# Altium PCB Volant_v2.PcbDoc (part 1 of 2)
Units mil, origin at the board's own origin, x right, y up, seen from the top; angles counter-clockwise.
Board outline 7710.03 x 3391.11 mil, 4 copper layers (Top Layer, POWER, GND, Bottom Layer), stack 30.634 mil thick; 133 components, 111 nets, 604 pads, 109 vias.
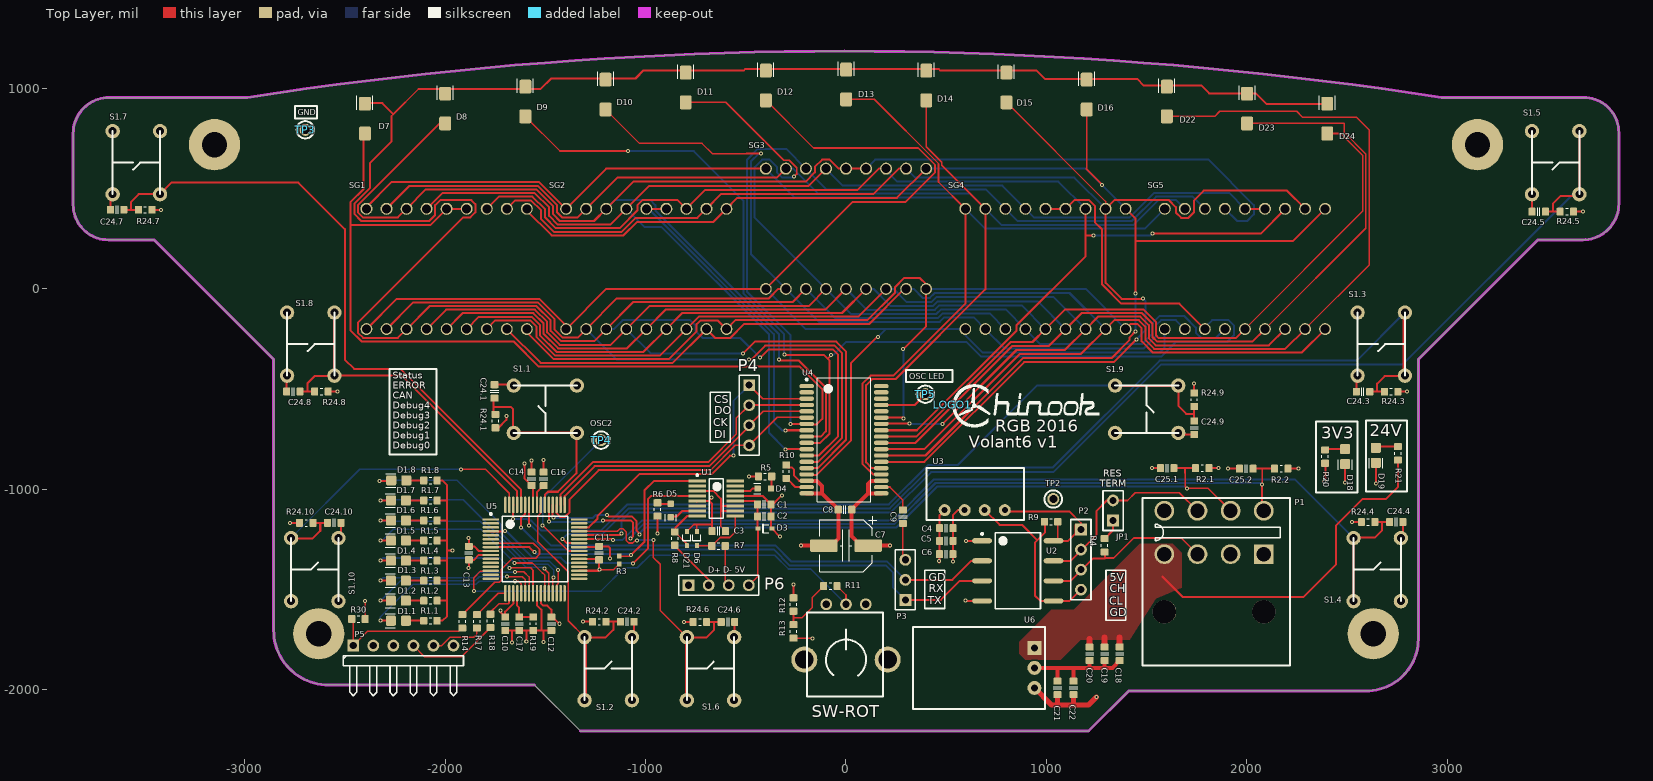
[diagram p0: Top Layer view]
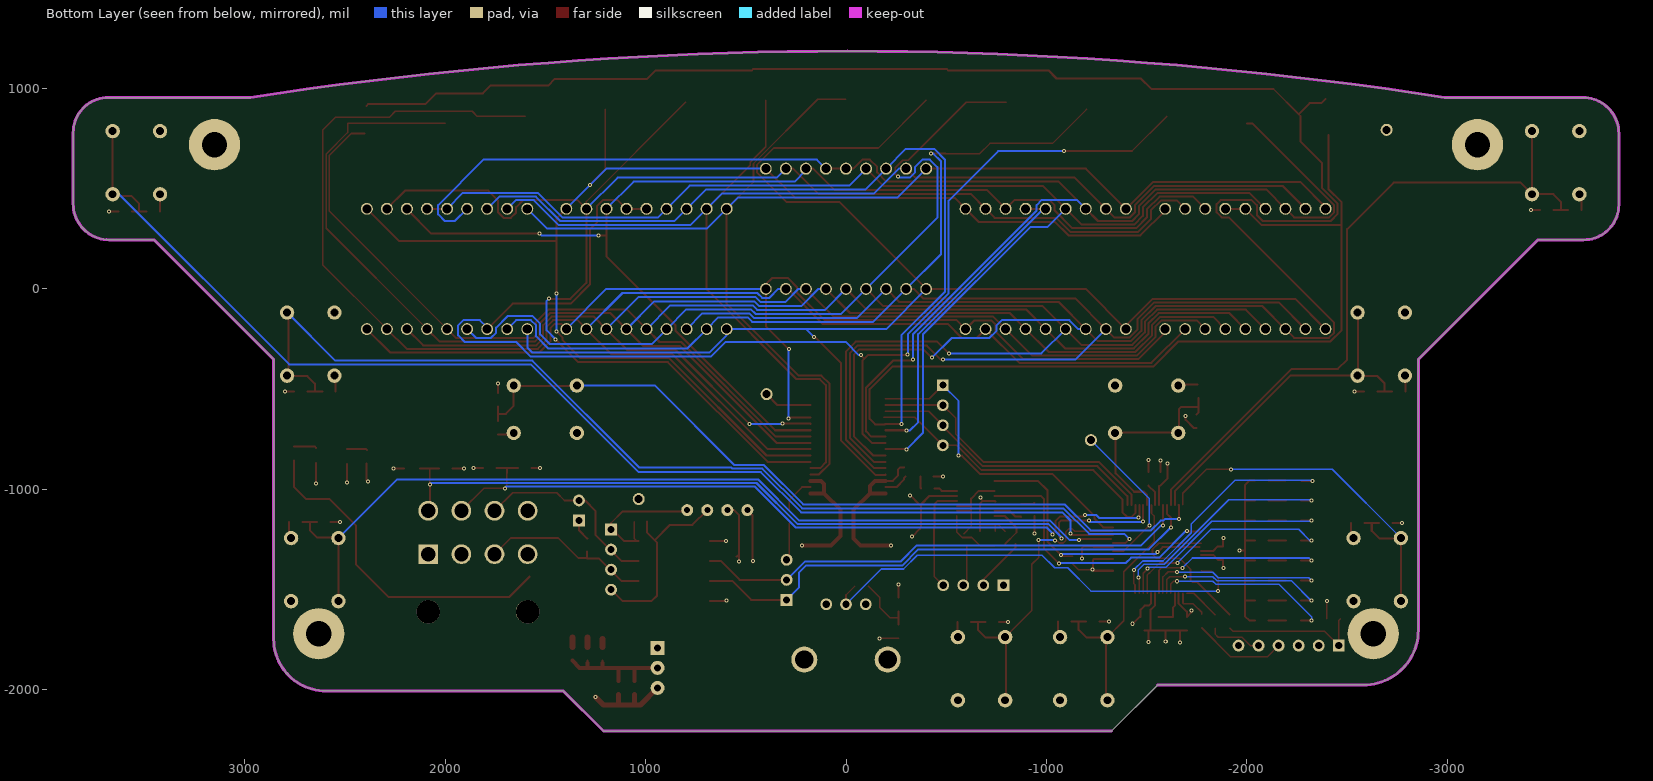
[diagram p1: Bottom Layer view, seen from below]
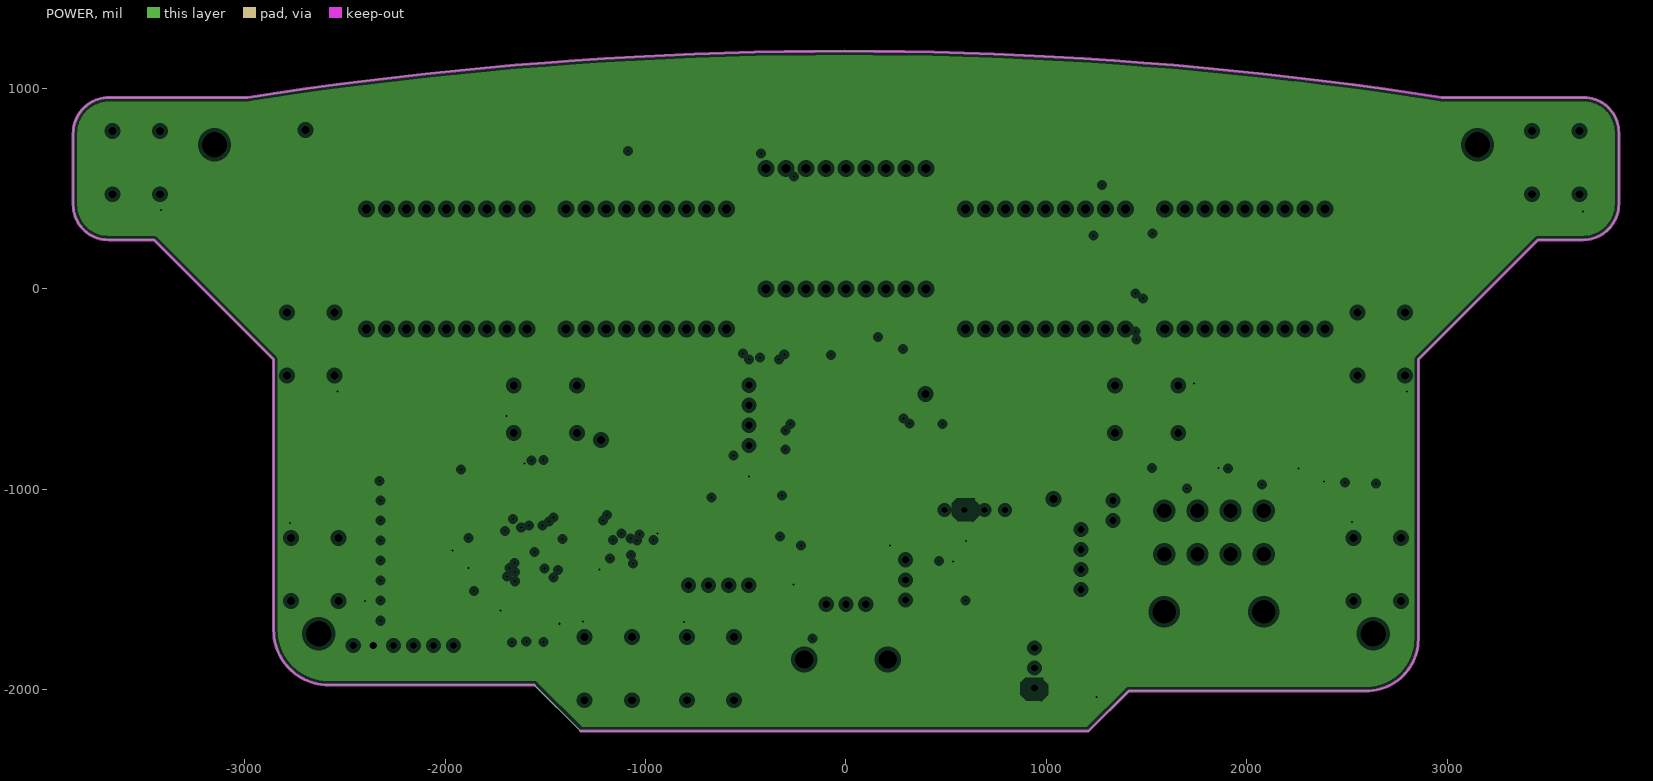
[diagram p2: POWER, clearances drawn from the general rule]
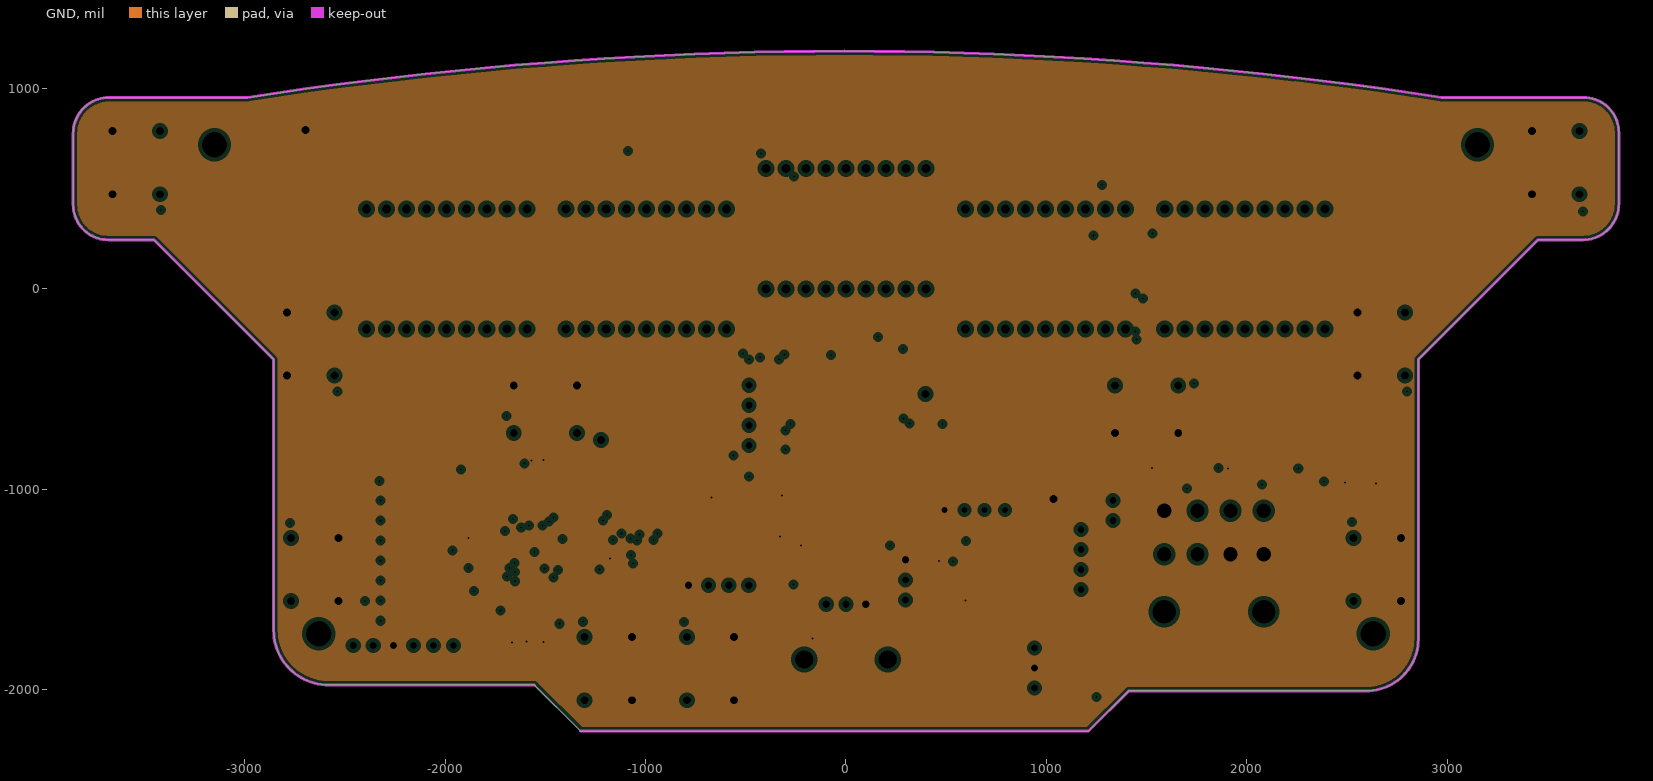
[diagram p3: GND, clearances drawn from the general rule]
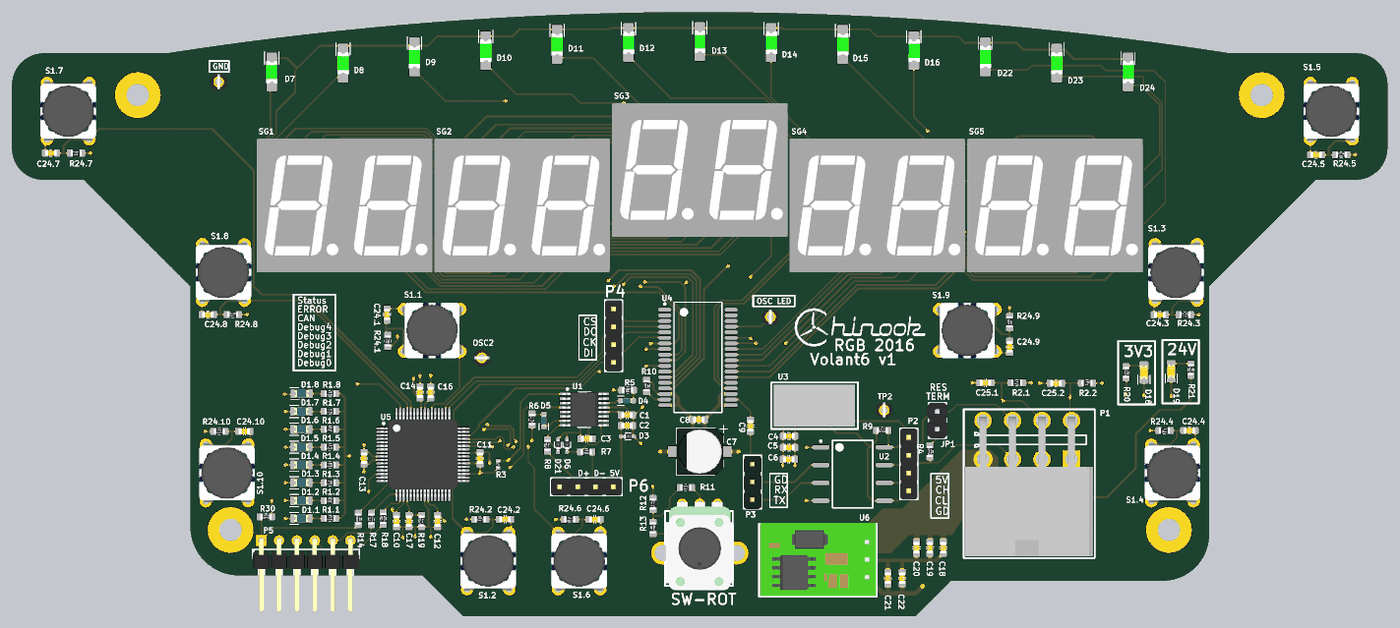
[diagram p5: 3D render of the assembled board from above, using the file's embedded part models]

## Layer stack, top to bottom
Top Solder: solder mask 0.4, Solder Resist, Dk 3.5
Top Layer: signal copper 1.4
Dielectric 1: core 10, FR-4, Dk 4.2
POWER: plane copper 1.417, net 3V3
Dielectric 3: prepreg 5, Dk 4.2
GND: plane copper 1.417, net GND
Dielectric 2: core 10, Dk 4.2
Bottom Layer: signal copper 1.4
Bottom Solder: solder mask 0.4, Solder Resist, Dk 3.5

## Board outline
-2855.02,-1702.05 -2855.02,-352.08 -3452.08,244.98 -3679.77,244.98 cw(c-3679.77,420.23) -3855.01,420.23 -3855.01,776.48 cw(c-3676.48,776.48) -3676.48,955.02 -2986.44,955.02 cw(c-8.17,-18121.97) 2969.67,955.08 2969.89,955.02 3679.96,955.02 cw(c3679.96,779.96) 3855.02,779.96 3855.02,424.32 cw(c3675.68,424.32) 3675.68,244.98 3452.08,244.98 2855.02,-352.08 2855.02,-1746.47 cw(c2595.74,-1745.73) 2595,-2005 1410,-2005 1209.98,-2205.02 -1324.99,-2205.02 -1554.99,-1975.01 -2582.05,-1975.01 cw(c-2582.05,-1702.05)

## Design rules (kind name [scope] priority, off if disabled: settings)
Clearance "Clearance IC pads" [(HasFootprint('IC-HTSSOP-14') OR HasFootprint('IC-TQFP-64')) vs (HasFootprint('IC-HTSSOP-14') OR HasFootprint('IC-TQFP-64'))] p1: gap=0
Clearance [All] p2: gap=8
HoleSize [All] p1: absolutevalues=TRUE maxlimit=200 minlimit=10 maxpercent=80.000 minpercent=20.000
MinimumSolderMaskSliver [All] p1: minsoldermaskwidth=0
PlaneClearance [All] p1: clearance=20
PlaneConnect PlaneConnect_Vias [IsVia] p1: planeconnectstyle=Direct reliefexpansion=20 reliefentries=4 reliefconductorwidth=10 reliefairgap=10
PlaneConnect [All] p2: planeconnectstyle=Relief reliefexpansion=20 reliefentries=4 reliefconductorwidth=20 reliefairgap=10
PolygonConnect PolygonConnect_Vias [IsVia] p1: connectstyle=Direct reliefconductorwidth=10 reliefentries=4 polygonreliefangle="90 Angle" airgapwidth=10
PolygonConnect [All] p2: connectstyle=Direct reliefconductorwidth=20 reliefentries=4 polygonreliefangle="90 Angle" airgapwidth=10
RoutingVias [All] p1: holewidth=10 width=20 viastyle="Through Hole" minholewidth=10 minwidth=20 maxholewidth=10 maxwidth=20
SilkToBoardRegionClearance SilkToBoardRegionClearance_PicProgConn [HasFootprint('CON-PROG-PIC')] p1:
SilkToBoardRegionClearance [All] p2:
SilkToSilkClearance [All] p1: silktosilkclearance=5
SilkToSolderMaskClearance [IsPad] p1: minsilkscreentomaskgap=6 clearancetoexposedcopper=TRUE
SolderMaskExpansion [All] p1: expansion=4
UnpouredPolygon [All] p1: allowunpoured=FALSE
Width [All] p1: maxlimit=100 minlimit=8 preferedwidth=10
22 further rules are at their usual default settings.

## Classes and differential pairs
component class PIC32: C10 C11 C12 C13 C14 C16 C17 R3 R14 R17 R18 R19 R30 TP3 TP4 U5
component class LED1: D1.1 R1.1
component class LED2: D1.2 R1.2
component class LED3: D1.3 R1.3
component class LED4: D1.4 R1.4
component class LED5: D1.5 R1.5
component class LED6: D1.6 R1.6
component class LED7: D1.7 R1.7
component class LED8: D1.8 R1.8
component class SW1: C24.1 R24.1 S1.1
component class USB-UART: C1 C2 C3 D3 D4 D5 D6 D21 R5 R6 R7 R8 U1
component class Volant5: LOGO1 P1 P5 P6
net class AP[16..1]: AP3 AP4 AP5 AP6 AP7 AP8 AP9 AP10 AP11 AP12 AP13 AP14 AP15 AP16
net class GPIO[13..0]: GPIO0 GPIO1 GPIO2 GPIO3 GPIO4 GPIO5 GPIO6 GPIO7 GPIO8 GPIO9 GPIO10 GPIO11 GPIO12 GPIO13
net class LED[8..1]: LED1 LED2 LED3 LED4 LED5 LED6 LED7 LED8
net class OUT[12..1]: OUT1 OUT3 OUT4 OUT5 OUT6 OUT7 OUT8 OUT9 OUT10 OUT11 OUT12
channel class LED0805_v1.0: LED1 LED2 LED3 LED4 LED5 LED6 LED7 LED8
component class SW2: C24.2 R24.2 S1.2
component class SW3: C24.3 R24.3 S1.3
component class SW4: C24.4 R24.4 S1.4
component class SW5: C24.5 R24.5 S1.5
component class SW6: C24.6 R24.6 S1.6
component class SW7: C24.7 R24.7 S1.7
component class SW8: C24.8 R24.8 S1.8
component class SW9: C24.9 R24.9 S1.9
component class SW10: C24.10 R24.10 S1.10
channel class Volant5.Push_button_v1.0: SW1 SW2 SW3 SW4 SW5 SW6 SW7 SW8 SW9 SW10 SW11 SW12 SW13
component class CANtrans: C4 C5 C6 JP1 P2 P3 R4 R9 TP2 U2 U3
component class POWER3V3: C18 C19 C20 C21 C22 D18 D19 R20 R21 U6
component class LEDdriver: C7 C8 C9 D7 D8 D9 D10 D11 D12 D13 D14 D15 D16 D22 D23 D24 P4 R10 SG1 SG2 SG3 SG4 SG5 TP5 U4
component class BKSW1: C25.1 R2.1
component class BKSW2: C25.2 R2.2
net class BACKSW[2..1]: BACKSW1 BACKSW2
channel class Volant5.Back_Button_v1.0: BKSW1 BKSW2

## Components (designator, comment, footprint, x,y, rotation, side; value= is the part's Value field where it differs from the comment)
C1 "CS - CAPACITOR" CS-0603 -407.46,-1075 r180 top
C2 "CS - CAPACITOR" CS-0603 -407.46,-1135 r180 top
C3 "CS - CAPACITOR" CS-0603 -634,-1208 r180 top
C4 "CS - CAPACITOR" CS-0603 500.54,-1193 r0 top
C5 "CS - CAPACITOR" CS-0603 500.54,-1257 r0 top
C6 "CS - CAPACITOR" CS-0603 499.54,-1323 r0 top
C7 "CS - CAPACITOR ELECTROLYTIC" CS-POL-6.3X4.2 0,-1280 r0 top
C8 "CS - CAPACITOR" CS-0603 -5,-1101 r0 top
C9 "CS - CAPACITOR" CS-0603 284,-1136 r90 top
C10 "CS - CAPACITOR" CS-0603 -1700,-1670 r90 top
C11 "CS - CAPACITOR" CS-0603 -1231.47,-1317.36 r270 top
C12 "CS - CAPACITOR" CS-0603 -1470,-1670 r90 top
C13 "CS - CAPACITOR" CS-0603 -1881.47,-1317.36 r270 top
C14 "CS - CAPACITOR" CS-0603 -1568.01,-947.36 r270 top
C16 "CS - CAPACITOR" CS-0603 -1508.01,-947.36 r270 top
C17 "CS - CAPACITOR" CS-0603 -1630,-1670 r90 top
C18 "CS - CAPACITOR" CS-0603 1365,-1820 r90 top
C19 "CS - CAPACITOR" CS-0603 1290,-1820 r90 top
C20 "CS - CAPACITOR" CS-0603 1215,-1820 r90 top
C21 "CS - CAPACITOR" CS-0603 1055,-1990 r270 top
C22 "CS - CAPACITOR" CS-0603 1135,-1990 r270 top
C24.1 "CS - CAPACITOR" CS-0603 -1753,-511 r270 top (schematic designator C24)
C24.2 "CS - CAPACITOR" CS-0603 -1091,-1660 r180 top (schematic designator C24)
C24.3 "CS - CAPACITOR" CS-0603 2579.11,-512.48 r0 top (schematic designator C24)
C24.4 "CS - CAPACITOR" CS-0603 2744.89,-1162.52 r180 top (schematic designator C24)
C24.5 "CS - CAPACITOR" CS-0603 3455.89,385.52 r0 top (schematic designator C24)
C24.6 "CS - CAPACITOR" CS-0603 -588.89,-1661.48 r180 top (schematic designator C24)
C24.7 "CS - CAPACITOR" CS-0603 -3636,395 r0 top (schematic designator C24)
C24.8 "CS - CAPACITOR" CS-0603 -2757.11,-511.52 r0 top (schematic designator C24)
C24.9 "CS - CAPACITOR" CS-0603 1737,-692.54 r90 top (schematic designator C24)
C24.10 "CS - CAPACITOR" CS-0603 -2552.62,-1166.69 r180 top (schematic designator C24)
C25.1 "CS - CAPACITOR" CS-0603 1602,-894 r0 top (schematic designator C25)
C25.2 "CS - CAPACITOR" CS-0603 1997,-896.54 r0 top (schematic designator C25)
D1.1 "LED - NORMAL LED" "LED-0805 BLUE" -2233,-1655 r180 top (schematic designator D1)
D1.2 "LED - NORMAL LED" "LED-0805 BLUE" -2233,-1555 r180 top (schematic designator D1)
D1.3 "LED - NORMAL LED" "LED-0805 BLUE" -2233,-1455 r180 top (schematic designator D1)
D1.4 "LED - NORMAL LED" "LED-0805 BLUE" -2233,-1355 r180 top (schematic designator D1)
D1.5 "LED - NORMAL LED" "LED-0805 BLUE" -2233,-1255 r180 top (schematic designator D1)
D1.6 "LED - NORMAL LED" "LED-0805 BLUE" -2233,-1155 r180 top (schematic designator D1)
D1.7 "LED - NORMAL LED" "LED-0805 BLUE" -2233,-1055 r180 top (schematic designator D1)
D1.8 "LED - NORMAL LED" "LED-0805 BLUE" -2231,-955 r180 top (schematic designator D1)
D3 "DS - TVS ESD5Z5.0T1G" DS-SOD523 -404,-1195 r0 top
D4 "LED - NORMAL LED" "LED-0603 BLUE" -407.46,-995 r180 top
D5 "LED - NORMAL LED" "LED-0603 BLUE" -874,-1105 r270 top
D6 "DS - TVS ESD5Z5.0T1G" DS-SOD523 -744,-1245 r90 top
D7 "LED - NORMAL LED" "LED-1206 BLUE" -2400,850 r90 top
D8 "LED - NORMAL LED" "LED-1206 BLUE" -2000,900 r90 top
D9 "LED - NORMAL LED" "LED-1206 BLUE" -1600,935 r90 top
D10 "LED - NORMAL LED" "LED-1206 BLUE" -1200,970 r90 top
D11 "LED - NORMAL LED" "LED-1206 BLUE" -800,1005 r90 top
D12 "LED - NORMAL LED" "LED-1206 BLUE" -400,1015 r90 top
D13 "LED - NORMAL LED" "LED-1206 BLUE" 0,1020 r90 top
D14 "LED - NORMAL LED" "LED-1206 BLUE" 400,1015 r90 top
D15 "LED - NORMAL LED" "LED-1206 BLUE" 800,1005 r90 top
D16 "LED - NORMAL LED" "LED-1206 BLUE" 1200,970 r90 top
D18 "LED - NORMAL LED" "LED-0805 YELLOW" 2490,-836 r270 top
D19 "LED - NORMAL LED" "LED-0805 YELLOW" 2643,-830 r270 top
D21 "DS - TVS ESD5Z5.0T1G" DS-SOD523 -794,-1245 r90 top
D22 "LED - NORMAL LED" "LED-1206 BLUE" 1600,935 r90 top
D23 "LED - NORMAL LED" "LED-1206 BLUE" 2000,900 r90 top
D24 "LED - NORMAL LED" "LED-1206 BLUE" 2400,850 r90 top
JP1 "JMP - Jumper" HEADER-2-JMP 1332,-1155 r90 top
LOGO1 "CHINOOK" LOGO-CHINOOK 533,-578 r0 top
P1 "CON - MOLEX 8POS" "CON-MOLEX Mini Jr 8pin - RA" 2084,-1323 r90 top
P2 "CON - HEADER 1X4" CON-HEADER-1X4 1172,-1200 r270 top
P3 "CON - HEADER 1X3" CON-HEADER-1X3 296,-1551 r90 top
P4 "CON - HEADER 1X4" CON-HEADER-1X4 -483,-480 r270 top
P5 "CON - HEADER PROG" CON-PROG-PIC -2458,-1779 r0 top
P6 "CON - HEADER 1X4" CON-HEADER-1X4 -785,-1478 r0 top
R1.1 "RS - RESISTOR" RS-0603 -2073,-1655 r0 top (schematic designator R1)
R1.2 "RS - RESISTOR" RS-0603 -2073,-1555 r0 top (schematic designator R1)
R1.3 "RS - RESISTOR" RS-0603 -2073,-1455 r0 top (schematic designator R1)
R1.4 "RS - RESISTOR" RS-0603 -2073,-1355 r0 top (schematic designator R1)
R1.5 "RS - RESISTOR" RS-0603 -2073,-1255 r0 top (schematic designator R1)
R1.6 "RS - RESISTOR" RS-0603 -2073,-1155 r0 top (schematic designator R1)
R1.7 "RS - RESISTOR" RS-0603 -2073,-1055 r0 top (schematic designator R1)
R1.8 "RS - RESISTOR" RS-0603 -2073,-955 r0 top (schematic designator R1)
R2.1 "RS - RESISTOR" RS-0603 1777,-894 r180 top (schematic designator R2)
R2.2 "RS - RESISTOR" RS-0603 2171,-896 r180 top (schematic designator R2)
R3 "RS - RESISTOR" RS-0402 -1131,-1352 r90 top
R4 "RS - RESISTOR" RS-0603 1290,-1279 r270 top
R5 "RS - RESISTOR" RS-0603 -404,-935 r180 top
R6 "RS - RESISTOR" RS-0603 -940,-1100 r270 top
R7 "RS - RESISTOR" RS-0603 -636,-1282 r0 top
R8 "RS - RESISTOR" RS-0603 -854,-1245 r270 top
R9 "RS - RESISTOR" RS-0603 1023,-1161 r0 top
R10 "RS - RESISTOR" RS-0603 -298,-911 r270 top
R11 "RS - RESISTOR" RS-0603 -78,-1482 r180 top
R12 "RS - RESISTOR" RS-0603 -262,-1574 r90 top
R13 "RS - RESISTOR" RS-0603 -262,-1708 r90 top
R14 "RS - RESISTOR" RS-0603 -1914,-1658 r270 top
R17 "RS - RESISTOR" RS-0603 -1841,-1658 r90 top
R18 "RS - RESISTOR" RS-0603 -1774,-1656 r90 top
R19 "RS - RESISTOR" RS-0603 -1560,-1670 r270 top
R20 "RS - RESISTOR" RS-0603 2390,-836 r270 top
R21 "RS - RESISTOR" RS-0603 2753,-820 r270 top
R24.1 "RS - RESISTOR" RS-0603 -1749,-659 r90 top (schematic designator R24)
R24.2 "RS - RESISTOR" RS-0603 -1231,-1660 r0 top (schematic designator R24)
R24.3 "RS - RESISTOR" RS-0603 2719.11,-512.48 r180 top (schematic designator R24)
R24.4 "RS - RESISTOR" RS-0603 2604.89,-1162.52 r0 top (schematic designator R24)
R24.5 "RS - RESISTOR" RS-0603 3595.89,385.52 r180 top (schematic designator R24)
R24.6 "RS - RESISTOR" RS-0603 -728.89,-1661.48 r0 top (schematic designator R24)
R24.7 "RS - RESISTOR" RS-0603 -3496,395 r180 top (schematic designator R24)
R24.8 "RS - RESISTOR" RS-0603 -2617.11,-511.52 r180 top (schematic designator R24)
R24.9 "RS - RESISTOR" RS-0603 1737,-552.54 r270 top (schematic designator R24)
R24.10 "RS - RESISTOR" RS-0603 -2692.62,-1166.69 r0 top (schematic designator R24)
R30 "RS - RESISTOR" RS-0603 -2432,-1646 r0 top
S1.1 "SW - Tactile Switch" SW-ESE20C443 -1500,-600 r180 top (schematic designator S1)
S1.2 "SW - Tactile Switch" SW-ESE20C443 -1186,-1894 r90 top (schematic designator S1)
S1.3 "SW - Tactile Switch" SW-ESE20C443 2670,-275 r270 top (schematic designator S1)
S1.4 "SW - Tactile Switch" SW-ESE20C443 2650,-1400 r90 top (schematic designator S1)
S1.5 "SW - Tactile Switch" SW-ESE20C443 3540,630 r270 top (schematic designator S1)
S1.6 "SW - Tactile Switch" SW-ESE20C443 -676,-1894 r90 top (schematic designator S1)
S1.7 "SW - Tactile Switch" SW-ESE20C443 -3540,630 r270 top (schematic designator S1)
S1.8 "SW - Tactile Switch" SW-ESE20C443 -2670,-275 r270 top (schematic designator S1)
S1.9 "SW - Tactile Switch" SW-ESE20C443 1500,-600 r0 top (schematic designator S1)
S1.10 "SW - Tactile Switch" SW-ESE20C443 -2650,-1400 r90 top (schematic designator S1)
SG1 "LB-602VK2" "DISP-DUAL 7SEG 18 PIN" -2392,-200 r0 top
SG2 "LB-602VK2" "DISP-DUAL 7SEG 18 PIN" -1396,-200 r0 top
SG3 "LB-602VK2" "DISP-DUAL 7SEG 18 PIN" -400,0 r0 top
SG4 "LB-602VK2" "DISP-DUAL 7SEG 18 PIN" 595,-200 r0 top
SG5 "LB-602VK2" "DISP-DUAL 7SEG 18 PIN" 1590,-200 r0 top
SW-ROT "SW - ROTARY POT W/ MIDDLE DETENT" "SW - ROTARY POT W/ DETENT" 0,-1849 r180 top
TP2 "5003K" "TP - VERTICAL" 1034,-1048 r0 top
TP3 "GND" "TP - VERTICAL" -2697,794 r0 top
TP4 "OSC2" "TP - VERTICAL" -1222,-754 r270 top
TP5 "OSC LED" "TP - VERTICAL" 396,-525 r0 top
U1 "IC - FT230XS" IC-SSOP-16 -647.46,-1045 r0 top
U2 "IC - ISO1050" IC-SOP-8 857,-1406 r0 top
U3 "IC - CME0305S3C" IC-SIP-4 492,-1103 r0 top
U4 "MAX6954AAX" IC-SSOP-36 -10,-752 r0 top
U5 "PIC32MX795F512HT-80I/PT" IC-TQFP-64 -1551.47,-1297.36 r0 top
U6 "OKI-78SR" IC-OKI78SR-RA 940,-1890 r270 top

## Footprints (in the part's own frame and the unit in brackets; to place one, negate y for a bottom-side part, rotate by r counter-clockwise, add the part's x,y. Pads: shape width x height; smd on the part's side, far side on the other; paste and mask are expansions set on the pad)
CON-HEADER-1X3 [mm]
  rect 1.5x1.5 hole 0.9: 1(0,0)
  round 1.5 hole 0.9: 2(2.54,0) 3(5.08,0)
  silkscreen extent -1.27,-1.27 6.35,1.27, body extent -1.35,-1.24 6.27,1.25, height 8.2
CON-HEADER-1X4 [mm]
  rect 1.5x1.5 hole 0.9: 1(0,0)
  round 1.5 hole 0.9: 2(2.54,0) 3(5.08,0) 4(7.62,0)
  silkscreen extent -1.27,-1.27 8.89,1.27, body extent -1.27,-1.24 8.89,1.25, height 8.54
"CON-MOLEX Mini Jr 8pin - RA" [mm] "RIGHT ANGLE 8PIN MOLEX"
  rect 2.5x2.5 hole 1.8: 1(0,0)
  round 2.5 hole 1.8: 2(0,4.2) 3(0,8.4) 4(0,12.6) 5(5.5,0) 6(5.5,4.2) 7(5.5,8.4) 8(5.5,12.6)
  round 3 hole 3 unplated: ""(-7.3,12.6) ""(-7.3,0)
  silkscreen extent -14.1,-3.3 7.11,15.34, body extent -13.85,-3.09 6.08,15.31, height 11.4
CON-PROG-PIC [mm] "Connector; Header; 6 Position; Right Angle"
  rect 1.5x1.5 hole 0.9: 1(0,0)
  round 1.5 hole 0.9: 2(2.54,0) 3(5.08,0) 4(7.62,0) 5(10.16,0) 6(12.7,0)
  silkscreen extent -1.27,-6.35 13.97,-1.27, body extent -1.27,-10.16 13.97,0.32, height 3.1
CS-0603 [mm]
  round 0.254 on Mech15: 0(0,0)
  rrect25% 0.9x1 smd: 1(-0.85,0) 2(0.85,0)
  Top Layer pour cut-out: -0.6,0.5 -0.4,0.7 0.4,0.7 0.6,0.5 0.6,-0.5 0.4,-0.7 -0.4,-0.7 -0.6,-0.5
  silkscreen extent -0.14,-0.53 0.12,0.51, body extent -0.8,-0.4 0.8,0.4, height 0.3
CS-POL-6.3X4.2 [mm] "Capacitor, polarized, aluminum can; 6.3x4.2mm DxH"
  round 0.508 on Mech15: 0(0,0)
  rrect25% 3.5x1.6 smd: 1(2.8,0) 2(-2.8,0)
  silkscreen extent -3.3,-3.3 3.9,3.7, body extent -3.3,-3.3 3.3,3.3, height 4.23
"DISP-DUAL 7SEG 18 PIN" [mil] "DUAL 7SEG Display"
  round 59.06 hole 45: 1(0,0) 2(100,0) 3(200,0) 4(300,0) 5(400,0) 6(500,0) 7(600,0) 8(700,0) 9(800,0) 10(800,600)
  round 60 hole 45: 11(700,600) 12(600,600) 13(500,600) 14(400,600) 15(300,600) 16(200,600) 17(100,600) 18(0,600)
  body extent -91,-74 893,676, height 640
DS-SOD523 [mm]
  round 0.508 on Mech15: 0(0,0)
  rrect20% 0.65x0.5 smd: A(0.9,0) K(-0.9,0)
  Top Layer pour cut-out: -0.708,-0.257 -0.708,0.243 -0.508,0.443 0.542,0.443 0.742,0.243 0.742,-0.257 0.542,-0.457 -0.508,-0.457
  silkscreen extent -0.25,-0.51 0.45,0.51, body extent -0.8,-0.4 0.8,0.4, height 0.7
HEADER-2-JMP [mm]
  rect 1.5x1.5 hole 0.9: 1(0,0)
  round 1.5 hole 0.9: 2(2.54,0)
  silkscreen extent -1.27,-1.27 3.78,1.27, body extent -1.27,-1.46 3.81,1.46, height 8.56
IC-OKI78SR-RA [mil]
  rect 70x70 hole 35: 1(-100,0)
  round 70 hole 35: 2(0,0) 3(100,0)
  silkscreen extent -205,-607 205,53, body extent -209,-601 201,49, height 134
IC-SIP-4 [mil]
  round 60 hole 30: 1(0,0) 2(100,0) 3(200,0) 4(300,0)
  silkscreen extent -90,-50 395,210, body extent -77,-37 379,199, height 404
IC-SOP-8 [mm] "SOP, 8-Leads, Body 4,90x3,90mm, Pitch 1,27mm, IPC Medium Density"
  oval 2.5x0.65 smd: 1(-4.525,3.81) 2(-4.525,1.27) 3(-4.525,-1.27) 4(-4.525,-3.81) 5(4.525,-3.81) 6(4.525,-1.27) 7(4.525,1.27) 8(4.525,3.81)
  silkscreen extent -4.65,-4.8 2.88,4.81, body extent -3.3,-4.8 3.3,4.8, height 4.85
IC-SSOP-16 [mm] "SOP, 16-Leads, Body 5.0x4.0mm (max), Pitch 0.63mm, IPC Medium Density"
  rect 2.2x0.35 smd: 1(-2.4,2.222) 2(-2.4,1.587) 3(-2.4,0.953) 4(-2.4,0.318) 5(-2.4,-0.318) 6(-2.4,-0.953) 7(-2.4,-1.587) 8(-2.4,-2.222) 9(2.4,-2.222) 10(2.4,-1.587) 11(2.4,-0.953) 12(2.4,-0.318) 13(2.4,0.318) 14(2.4,0.953) 15(2.4,1.587) 16(2.4,2.222)
  silkscreen extent -2.52,-2.5 0.9,3.07, body extent -3.1,-2.5 3.15,2.5, height 1.75
IC-SSOP-36 [mm] "SOP, 36-Leads, Body 15,42x7,50mm, Pitch 0,80mm, IPC Medium Density"
  oval 1.85x0.55 smd: 1(-4.725,6.8) 2(-4.725,6) 3(-4.725,5.2) 4(-4.725,4.4) 5(-4.725,3.6) 6(-4.725,2.8) 7(-4.725,2) 8(-4.725,1.2) 9(-4.725,0.4) 10(-4.725,-0.4) 11(-4.725,-1.2) 12(-4.725,-2) 13(-4.725,-2.8) 14(-4.725,-3.6) 15(-4.725,-4.4) 16(-4.725,-5.2) 17(-4.725,-6) 18(-4.725,-6.8) 19(4.725,-6.8) 20(4.725,-6) 21(4.725,-5.2) 22(4.725,-4.4) 23(4.725,-3.6) 24(4.725,-2.8) 25(4.725,-2) 26(4.725,-1.2) 27(4.725,-0.4) 28(4.725,0.4) 29(4.725,1.2) 30(4.725,2) 31(4.725,2.8) 32(4.725,3.6) 33(4.725,4.4) 34(4.725,5.2) 35(4.725,6) 36(4.725,6.8)
  silkscreen extent -4.85,-7.85 3.4,7.85, body extent -3.8,-7.85 3.8,7.85, height 2.64
IC-TQFP-64 [mm]
  oval 2.1x0.3 smd: 1(-5.6,3.75) 2(-5.6,3.25) 3(-5.6,2.75) 4(-5.6,2.25) 5(-5.6,1.75) 6(-5.6,1.25) 7(-5.6,0.75) 8(-5.6,0.25) 9(-5.6,-0.25) 10(-5.6,-0.75) 11(-5.6,-1.25) 12(-5.6,-1.75) 13(-5.6,-2.25) 14(-5.6,-2.75) 15(-5.6,-3.25) 16(-5.6,-3.75) 33(5.6,-3.75) 34(5.6,-3.25) 35(5.6,-2.75) 36(5.6,-2.25) 37(5.6,-1.75) 38(5.6,-1.25) 39(5.6,-0.75) 40(5.6,-0.25) 41(5.6,0.25) 42(5.6,0.75) 43(5.6,1.25) 44(5.6,1.75) 45(5.6,2.25) 46(5.6,2.75) 47(5.6,3.25) 48(5.6,3.75)
  oval 0.3x2.1 smd: 17(-3.75,-5.6) 18(-3.25,-5.6) 19(-2.75,-5.6) 20(-2.25,-5.6) 21(-1.75,-5.6) 22(-1.25,-5.6) 23(-0.75,-5.6) 24(-0.25,-5.6) 25(0.25,-5.6) 26(0.75,-5.6) 27(1.25,-5.6) 28(1.75,-5.6) 29(2.25,-5.6) 30(2.75,-5.6) 31(3.25,-5.6) 32(3.75,-5.6) 49(3.75,5.6) 50(3.25,5.6) 51(2.75,5.6) 52(2.25,5.6) 53(1.75,5.6) 54(1.25,5.6) 55(0.75,5.6) 56(0.25,5.6) 57(-0.25,5.6) 58(-0.75,5.6) 59(-1.25,5.6) 60(-1.75,5.6) 61(-2.25,5.6) 62(-2.75,5.6) 63(-3.25,5.6) 64(-3.75,5.6)
  silkscreen extent -5.72,-4.15 4.15,4.57, body extent -6.01,-5.98 6.01,6.03, height 1.2
"LED-0603 BLUE" [mm]
  round 0.254 on Mech15: 0(0,0)
  rrect25% 0.8x0.8 smd: A(-0.85,0) K(0.85,0)
  Top Layer pour cut-out: -0.503,-0.495 -0.503,0.505 0.497,0.505 0.497,-0.495
  silkscreen extent 0.45,-0.67 1.35,0.67, body extent -0.75,-0.4 0.87,0.4, height 0.6
"LED-0805 BLUE" [mil]
  round 20 on Mech15: 0(0,0)
  rrect25% 50x50 smd: A(-37.5,0) K(37.5,0)
  Top Layer pour cut-out: -15,30 15,30 15,-30 -15,-30
  silkscreen extent 15,-34 65,34, body extent -40,-25 39,24, height 43
"LED-0805 YELLOW" [mil]
  round 20 on Mech15: 0(0,0)
  rrect25% 50x50 smd: A(-37.5,0) K(37.5,0)
  Top Layer pour cut-out: -15,30 15,30 15,-30 -15,-30
  silkscreen extent 15,-34 65,34, body extent -40,-25 39,24, height 43
"LED-1206 BLUE" [mil]
  round 20 on Mech15: 0(0,0)
  rrect25% 68.9x59.06 smd: A(-74.25,-0.5) K(74.25,-0.5)
  Top Layer pour cut-out: -44.25,34.5 44.25,34.5 44.25,-35.5 -44.25,-35.5
  silkscreen extent 43,-40 113,40, body extent -64,-33 62,30, height 43
LOGO-CHINOOK [mil]
  silkscreen extent -1,-111 732,102
RS-0402 [mm]
  round 0.2 on Mech15: 0(0,0)
  rrect20% 0.6x0.6 smd: 1(-0.5,0) 2(0.5,0)
  Top Layer pour cut-out: -0.325,0.375 -0.2,0.5 0.2,0.5 0.325,0.375 0.325,-0.375 0.2,-0.5 -0.2,-0.5 -0.325,-0.375
  body extent -0.5,-0.25 0.5,0.25, height 0.35
RS-0603 [mm]
  round 0.254 on Mech15: 0(0,0)
  rrect25% 0.9x1 smd: 1(-0.85,0) 2(0.85,0)
  Top Layer pour cut-out: -0.6,0.5 -0.4,0.7 0.4,0.7 0.6,0.5 0.6,-0.5 0.4,-0.7 -0.4,-0.7 -0.6,-0.5
  silkscreen extent -0.15,-0.41 0.15,0.41, body extent -0.77,-0.43 0.78,0.42, height 0.45
"SW - ROTARY POT W/ DETENT" [mm] "Potentiometer with middle detent. Middle is facing pins 1, 2 and 3"
  round 1.5 hole 0.92: 1(-2.502,-7.01) 2(0,-7.01) 3(2.502,-7.01)
  round 3.3 hole 2.3: 4(-5.283,0) 5(5.283,0)
  silkscreen extent -4.7,-5.97 4.95,4.7, body extent -4.88,-7.24 4.88,5.31, height 20.03
SW-ESE20C443 [mm]
  round 1.824 hole 1: 1(-4,3) 1(4,3) 2(-4,-3) 2(4,-3)
  silkscreen extent -4,-3 4,3, body extent -4.17,-3.95 4.18,3.95, height 21
"TP - VERTICAL" [mil] "Testpoint"
  round 60 hole 40: 1(0,0)
  silkscreen extent -43,-43 43,43, body extent -50,-50 50,50, height 192

## Part data
D3 D6 D21: "TVS 5V"
JP1: "Jumper"
LOGO1: library part "LOGO - FOOTPRINT"
P1: "Mini-Fit Jr 8pin"
P2 P4 P6: "100mil header 1 row 4pins"
P3: "100mil header 1 row 3pins"
P5: library part "CON - PROG HEADER 6", "MICROCHIP CONNECTOR"
SG1 SG2 SG3 SG4 SG5: library part "DISP - LB-602VK2", "DUAL 7 SEG DISP HIGH BRIGHTNESS"
SW-ROT: "Potentiomètre rotatif +-140 deg avec détente au milieu"
TP2 TP3 TP4 TP5: library part "TP - Test point vertical"
U1: "USB to BASIC UART IC"
U2: "Isolated CAN transceiver"
U4: library part "IC - MAX6954", "DRIVE 8 DIGIT 7SEG"
U5: library part "IC - PIC32MX795F512HT-80I/PT"
U6: library part "IC - OKI-78SR"

## Free pads (board coordinates)
  round 255.91 hole 125.98: 1(-3150,720) 1(-2630,-1720) 1(2630,-1720) 1(3150,720)

## Via types
v1: diameter 20, hole 10, Top Layer to Bottom Layer, 109 vias

## Nets (pads, with @x,y where several pads share a name; then routed paths per layer and width w, separated by ;. In a path a pad name is that pad's centre, name@x,y a point inside that pad or via, vN(x,y) a via of type N, cw(c..) or ccw(c..) an arc to the next point about the centre after c; other vN are vias at no path point)
3V3: C4.2 C5.2 C6.2 C7.1 C8.2 C10.2 C11.2 C12.2 C13.2 C14.2 C21.2 C22.2 P5.2 R1.1.2 R1.2.2 R1.3.2 R1.4.2 R1.5.2 R1.6.2 R1.7.2 R1.8.2 R2.1.1 R2.2.1 R3.1 R5.2 R6.2 R12.2 R20.2 R24.1.1 R24.2.1 R24.3.1 R24.4.1 R24.5.1 R24.6.1 R24.7.1 R24.8.1 R24.9.1 R24.10.1 R30.2 U2.1 U3.2 U4.19 U4.21 U5.10 U5.19 U5.26 U5.35 U5.38 U5.57 U6.3 | length 4727.1
  Top Layer w8: v1(-2399,-1556) -2398.54,-1556.46 R30.2@-2398.54,-1646 ; v1(-1230,-1400) -1159.32,-1400 R3.1@-1131,-1371.68 ; v1(-263,-1475) -262,-1476 R12.2@-262,-1540.54 ; C4.2@534,-1193 534,-1126.54
  Top Layer w10: R24.7.1@-3462.54,395 v1(-3416,395) ; v1(-2772.62,-1166.69) R24.10.1@-2726.09,-1166.69 ; R24.8.1@-2583.65,-511.52 v1(-2537.11,-511.52) ; R1.1.2@-2039.54,-1655 -2013,-1655 -1989.54,-1631.54 -1989.54,-1555 ; R1.2.2@-2039.54,-1555 -1989.54,-1555 ; R1.3.2@-2039.54,-1455 -1989.54,-1455 ; R1.4.2@-2039.54,-1355 -1989.54,-1355 ; R1.5.2@-2039.54,-1255 -1989.54,-1255 ; R1.6.2@-2039.54,-1155 -1989.54,-1155 ; R1.7.2@-2039.54,-1055 -1989.54,-1055 ; R1.8.2@-2039.54,-955 -2013,-955 -1989.54,-978.46 -1989.54,-1055 ; v1(-1963,-1305) -1989.54,-1305 ; v1(-1883,-1393) -1881.47,-1391.47 C13.2@-1881.47,-1350.83 -1854.94,-1350.83 -1831,-1326.89 U5.10@-1771.94,-1326.89 ; R24.1.1@-1749,-692.46 -1733.46,-692.46 -1694,-653 v1(-1694,-633) ; v1@-1723,-1613.54 C10.2@-1700,-1636.54 -1700,-1610 -1659.74,-1569.74 U5.19@-1659.74,-1517.83 ; v1(-1604,-871) -1604,-944.83 C14.2@-1568.01,-980.83 ; U5.57@-1561.32,-1076.89 C14.2@-1561.32,-983.74 ; U5.26@-1521.63,-1517.83 -1521.63,-1568.37 -1510,-1580 -1490,-1580 -1470,-1600 C12.2@-1470,-1636.54 -1463.46,-1636.54 v1(-1430,-1670) ; U5.35@-1331,-1405.63 -1235.63,-1405.63 v1(-1230,-1400) -1231.47,-1398.53 C11.2@-1231.47,-1350.83 ; U5.38@-1331,-1346.57 C11.2@-1235.72,-1346.57 ; v1(-1311,-1660) R24.2.1@-1264.46,-1660 ; v1(-940,-1220) R6.2@-940,-1133.46 ; v1(-808.89,-1661.48) R24.6.1@-762.35,-1661.48 ; v1(-484,-935) R5.2@-437.46,-935 ; v1(533,-1359) C6.2@533,-1323 C6.2@545,-1335 ; C6.2@534,-1322 C5.2@534,-1257 C4.2@534,-1193 ; 534,-1126.54 557.54,-1103 U3.2@592,-1103 ; v1(599,-1257) 677.85,-1257 U2.1@678.85,-1256 ; U6.3@940,-2010 U6.3@940,-1990 ; R24.9.1@1737,-519.07 v1(1737,-472.54) ; R2.1.1@1810.46,-894 v1(1857,-894) ; R2.2.1@2204.46,-896 v1(2256,-896) ; v1(2385,-961) 2392,-954 R20.2@2392,-871.46 ; v1(2524.89,-1162.52) R24.4.1@2571.43,-1162.52 ; R24.3.1@2752.57,-512.48 v1(2799.11,-512.48) ; R24.5.1@3629.35,385.52 v1(3675.89,385.52) ; -1989.54,-1555 -1989.54,-1455 ; -1989.54,-1455 -1989.54,-1355 ; -1989.54,-1355 -1989.54,-1305 ; -1989.54,-1305 -1989.54,-1255 ; -1989.54,-1255 -1989.54,-1155 ; -1989.54,-1155 -1989.54,-1055
  Top Layer w20: U4.19@176.02,-1019.72 109.75,-1019.72 ; U4.21@176.02,-956.72 125.28,-956.72 109.75,-972.25 109.75,-1019.72 ; v1(220,-1280) C7.1@110.24,-1280 76,-1280 28.46,-1232.46 C8.2@28.46,-1101 109.75,-1019.72
  Top Layer w25: U6.3@940,-1990 1025,-2075 1055,-2075 ; C21.2@1055,-2023.46 1055,-2075 ; C22.2@1135,-2023.46 1135,-2075 ; v1(1250,-2035) 1210,-2075 1135,-2075 ; 1055,-2075 1135,-2075
  other v1: -1723,-1605
5V_ISO: P2.1 R9.2 U2.8 U3.4 | length 716.3
  Top Layer w8: U2.8@1035.15,-1256 1045,-1256 1056.46,-1244.54 R9.2@1056.46,-1161 ; 1114,-1109 1172,-1167 P2.1@1172,-1200
  Top Layer w10: U3.4@792,-1103 798,-1109 1114,-1109 ; U2.8@1035.15,-1256 1108,-1256 1145,-1219 P2.1@1145,-1177
5V_USB: C1.2 C2.2 D3.K P6.4 U1.12 | length 541.8
  Top Layer w8: P6.4@-485,-1478 -439.43,-1432.43 -439.43,-1304.57
  Top Layer w10: U1.12@-552.98,-1057.5 -458.43,-1057.5 C1.2@-440.93,-1075 C2.2@-440.93,-1135 -440.93,-1193.5 D3.K@-439.43,-1195 -439.43,-1304.57
AP3: R11.1 SW-ROT.2 U5.14 | length 2312.5
  Top Layer w8: v1(-1856,-1507) -1856,-1440.24 -1823.17,-1407.41 -1773.72,-1407.41 U5.14@-1771.94,-1405.63 ; R11.1@-44.54,-1482 0,-1526.54 SW-ROT.2@0,-1573 SW-ROT.2@-4.46,-1568.54
  Bottom Layer w8: v1(-1856,-1507) -1222,-1507 -1106,-1391 -1041,-1391 -978,-1328 -356.04,-1328 -287.04,-1397 -176,-1397 SW-ROT.2@0,-1573
AP4: U5.13
AP12: U5.33
AP13: U5.31
AP14: U5.32
AP15: U5.37
AP16: U5.36
BACKSW1: C25.1.2 P1.6 R2.1.2 U5.52 | length 3877.3
  Top Layer w8: 1692,-919 1692,-987 v1(1700,-995) 1807.18,-995 P1.6@1918.65,-1106.46
  Top Layer w10: U5.52@-1462.89,-1076.89 -1462.89,-1134.11 v1(-1458,-1139) ; v1(-1192,-1127) -1183,-1136 -1066.54,-1136 -1044,-1158.54 -1044,-1206 -1030,-1220 v1(-1030,-1225) ; C25.1.2@1635.46,-894 1692,-894 ; 1692,-919 1692,-894 ; R2.1.2@1743.54,-894 1692,-894
  Bottom Layer w10: v1(-1458,-1139) -1455,-1142 -1262,-1142 -1247,-1127 v1(-1192,-1127) ; v1(-1030,-1225) -1030,-1217.91 -1002.09,-1190 250,-1190 454,-986 v1@1696,-986
BACKSW2: C25.2.2 P1.5 R2.2.2 U5.53 | length 4187.2
  Top Layer w8: 2077,-896 2077,-973 v1(2075,-975) 2075,-1097.46 P1.5@2084,-1106.46
  Top Layer w10: U5.53@-1482.57,-1076.89 -1482.57,-1159.43 v1(-1482,-1160) v1@-1481.48,-1159.48 ; v1(-1211,-1156) -1209,-1154 -1074,-1154 -1062,-1166 -1062,-1233 -1075,-1246 v1(-1075,-1245) ; C25.2.2@2031,-896 2077,-896 R2.2.2@2126,-896
  Bottom Layer w10: v1(-1482,-1160) -1480,-1162 -1217,-1162 v1(-1211,-1156) ; v1(-1075,-1245) -1077.46,-1245 -1080,-1242.46 -1009.54,-1172 242.54,-1172 446.54,-968 2068,-968 v1(2075,-975)
BLINK: U4.32
CAN_RX: P3.2 U2.2 U5.58 | length 2514.2
  Top Layer w10: v1(-1581,-1179) U5.58@-1581,-1076.89 ; P3.2@296,-1451 530,-1451 625,-1356 U2.2@678.85,-1356
  Bottom Layer w10: v1(-1581,-1179) -1572,-1179 -1472,-1279 -352.72,-1279 -271.72,-1360 205.46,-1360 296,-1450.54 P3.2@296,-1451
CAN_TX: P3.1 U2.3 U5.59 | length 2652.8
  Top Layer w10: v1(-1620,-1190) -1620,-1140 -1600.69,-1120.69 U5.59@-1600.69,-1076.89 ; P3.1@296,-1551 473,-1551 568,-1456 U2.3@678.85,-1456
  Bottom Layer w10: v1(-1620,-1190) -1511,-1299 -361,-1299 -280,-1380 200,-1380 234,-1414 234,-1489 P3.1@296,-1551
CANH: JP1.2 P1.7 P2.2 U2.7 | length 966.7
  Top Layer w8: JP1.2@1332,-1055 1404,-1055 1443,-1016 1662.83,-1016 P1.7@1753.29,-1106.46
  Top Layer w10: U2.7@1035.15,-1356 1121,-1356 1250,-1227 1250,-1107 1302,-1055 JP1.2@1332,-1055
CANL: P1.3 P2.3 R4.2 U2.6 | length 871
  Top Layer w8: 1291,-1342 1336,-1342 1436,-1242 1672.29,-1242 P1.3@1753.29,-1323
  Top Layer w10: U2.6@1035.15,-1456 1121,-1456 1233,-1344 1291,-1344 ; 1291,-1342 R4.2@1291,-1310.46
CLK: P4.3 U4.5 U5.49 | length 1429.5
  Top Layer w8: -681.56,-884.02 -483,-685.46 P4.3@-483,-680 -413.27,-610.27 U4.5@-196.02,-610.27
  Top Layer w10: U5.49@-1403.83,-1076.89 -1403.83,-1033.83 -1254.02,-884.02 -681.56,-884.02
CS: P4.1 U4.3 U5.46 | length 1624.1
  Top Layer w8: -577.63,-831 v1(-561,-831) ; P4.1@-483,-480 -415.72,-547.28 U4.3@-196.02,-547.28
  Top Layer w10: U5.46@-1331,-1189.09 -1283.09,-1189.09 -1239,-1145 -1239,-1132 -1031.02,-924.02 -670.65,-924.02 -577.63,-831
  Bottom Layer w8: v1(-561,-831) -561,-558 P4.1@-483,-480
DIN: P4.4 U4.6 U5.51 | length 1549.3
  Top Layer w8: -676.1,-904.02 -552.09,-780 P4.4@-483,-780 -343,-640 U4.6@-188,-640
  Top Layer w10: U5.51@-1443.83,-1076.89 -1443.83,-1118.74 -1425.58,-1137 -1401.78,-1137 -1379,-1114.22 -1379,-1049 -1234.02,-904.02 -676.1,-904.02
DOUT: P4.2 U4.4 U5.50 | length 1511.4
  Top Layer w8: -687.02,-864.02 -547,-724 -547,-644 P4.2@-483,-580 -481.77,-578.77 U4.4@-196.02,-578.77
  Top Layer w10: U5.50@-1423.52,-1076.89 -1423.52,-1024.52 -1263.02,-864.02 -687.02,-864.02
EEPROM_SCL: U5.5
EEPROM_SDA: U5.6
GND: C1.1 C2.1 C3.2 C4.1 C5.1 C6.1 C7.2 C8.1 C9.1 C10.1 C11.1 C12.1 C13.1 C14.1 C16.1 C17.1 C18.1 C19.1 C20.1 C21.1 C22.1 C24.1.1 C24.2.1 C24.3.1 C24.4.1 C24.5.1 C24.6.1 C24.7.1 C24.8.1 C24.9.1 C24.10.1 C25.1.1 C25.2.1 D3.A D6.A D18.K D19.K D21.A P1.1 P1.2 P1.8 P3.3 P5.3 P6.1 R10.1 R13.1 R19.2 S1.1.2 S1.2.2 S1.3.2 S1.4.2 S1.5.2 S1.6.2 S1.7.2 S1.8.2 S1.9.2 S1.10.2 SW-ROT.1 TP2.1 TP3.1 U1.5 U1.13 U2.4 U3.1 U4.16 U4.18 U5.9 U5.25 U5.41 U6.2 | length 5212.2
  Top Layer w8: D21.A@-794,-1209.57 -759.43,-1175 -744,-1175 ; D6.A@-744,-1209.57 -744,-1175 ; -668.46,-1174 -669.46,-1175 -744,-1175 ; S1.6.2@-557.89,-1736.52 S1.6.2@-556.83,-1735.46 ; R13.1@-262,-1741.46 -167.54,-1741.46 v1(-166,-1743) ; C9.1@284,-1169.46 284,-1339 P3.3@296,-1351
  Top Layer w10: C24.7.1@-3669.46,395 -3669.46,462.17 S1.7.2@-3659.11,472.52 ; C24.8.1@-2790.57,-511.52 -2790.57,-444.35 S1.8.2@-2780.22,-434 ; S1.10.2@-2529.51,-1216.33 -2529.51,-1244.2 -2519.16,-1233.85 C24.10.1@-2519.16,-1166.69 ; v1@-1881.47,-1242.53 C13.1@-1881.47,-1283.9 -1854.94,-1283.9 -1831.63,-1307.2 U5.9@-1771.94,-1307.2 ; C24.1.1@-1753,-477.54 -1661.83,-477.54 S1.1.2@-1660.48,-478.89 ; C10.1@-1700,-1703.46 C17.1@-1630,-1703.46 -1595,-1703.46 ; v1(-1665,-1764) -1665,-1709.46 ; v1(-1595,-1758) -1595,-1703.46 ; v1(-1570,-855) -1568.01,-856.99 C14.1@-1568.01,-913.9 ; U5.25@-1541.63,-1517.83 -1541.63,-1578.37 -1520,-1600 -1520,-1703.46 ; v1(-1508,-1761) -1508,-1706.46 ; C16.1@-1508.01,-913.9 v1(-1508.01,-852.01) ; -1490,-1703.46 -1520,-1703.46 ; U5.41@-1331,-1287.52 -1235.09,-1287.52 C11.1@-1231.47,-1283.9 -1186.1,-1283.9 -1178,-1292 v1(-1178,-1344) ; S1.2.2@-1067.89,-1737.52 -1057.54,-1727.17 C24.2.1@-1057.54,-1660 ; U1.5@-745.06,-1060.61 U1.5@-741.95,-1057.5 -681.5,-1057.5 ; v1(-670,-1040) -670,-1046 -681.5,-1057.5 ; C3.2@-668.46,-1208 -668.46,-1174 -668.46,-1070.54 -681.5,-1057.5 ; S1.6.2@-555.43,-1728.65 C24.6.1@-555.43,-1661.48 ; U1.13@-552.98,-1032.5 -416.5,-1032.5 C1.1@-374,-1075 ; v1(-330,-1235) -368.57,-1196.43 D3.A@-368.57,-1195 -374,-1189.57 C2.1@-374,-1135 C1.1@-374,-1075 ; v1(-320,-1030) -365,-1075 C1.1@-374,-1075 ; R10.1@-290,-890.32 -289.68,-890 -270,-890 -260,-900 -260,-930 -233.28,-956.72 U4.16@-196.02,-956.72 ; v1(465,-1357) 465,-1363.86 466.07,-1364.93 C6.1@466.07,-1323 ; C6.1@467.07,-1322 C5.1@467.07,-1257 C4.1@467.07,-1193 467.07,-1127.93 U3.1@492,-1103 ; v1(596,-1555) 597,-1556 U2.4@678.85,-1556 ; C20.1@1215,-1865 C20.1@1215,-1853.46 ; C19.1@1290,-1865 C19.1@1290,-1853.46 ; v1(1527,-894) C25.1.1@1568.54,-894 ; S1.9.2@1659.48,-715.65 1669.83,-726 C24.9.1@1737,-726 ; v1(1906,-896) 1906.54,-896.54 C25.2.1@1963.54,-896.54 ; v1(2490,-966) D18.K@2490,-873.5 ; C24.3.1@2545.65,-512.48 2545.65,-445.31 2556,-434.96 S1.3.2@2556,-462.83 ; v1(2643,-970) D19.K@2643,-867.5 ; S1.4.2@2768,-1212.17 2768,-1240.04 2778.35,-1229.69 C24.4.1@2778.35,-1162.52 ; C24.5.1@3422.43,385.52 3422.43,452.69 S1.5.2@3432.78,463.04 ; -1595,-1703.46 R19.2@-1560,-1703.46 -1520,-1703.46
  Top Layer w20: v1(-225,-1280) C7.2@-110.24,-1280 -72.85,-1280 -38.46,-1245.61 C8.1@-38.46,-1101 -119.75,-1019.72 ; U4.18@-196.02,-1019.72 -119.75,-1019.72 ; U4.16@-196.02,-956.72 -145.28,-956.72 -119.75,-982.25 -119.75,-1019.72 ; U6.2@940,-1890 1055,-1890 ; C21.1@1055,-1956.54 1055,-1890 ; C22.1@1135,-1956.54 1135,-1890 ; C20.1@1215,-1865 1215,-1890 ; C19.1@1290,-1865 1290,-1890 ; C18.1@1365,-1853.46 1328.46,-1890 1290,-1890 ; 1055,-1890 1135,-1890 ; 1135,-1890 1215,-1890 ; 1215,-1890 1290,-1890
  other v1: -1882,-1242
GND_ISO: P2.4 R9.1 U2.5 U3.3 | length 977.2
  Top Layer w10: U3.3@692,-1103 766,-1177 878,-1177 954,-1253 ; R9.1@992,-1161 992,-1215 954,-1253 ; P2.4@1172,-1500 1116,-1556 U2.5@1035.15,-1556 969,-1556 942,-1529 942,-1265 954,-1253
GP_SW1: U5.1
GP_SW2: U5.2
GP_SW3: U5.3
GPIO0: U5.12
GPIO1: U5.11
GPIO2: U5.47
GPIO3: U5.48
ISET: R10.2 U4.17 | length 128.5
  Top Layer w10: R10.2@-298,-934.62 -290,-942.62 -290,-950 -251.78,-988.22 U4.17@-196.02,-988.22
LED1: D1.1.K U5.21 | length 899.7
  Top Layer w8: v1(-1650,-1458) -1634,-1458 -1620.37,-1471.63 U5.21@-1620.37,-1517.83
  Top Layer w10: v1(-2323,-1655) D1.1.K@-2270.5,-1655
  Bottom Layer w8: v1(-2323,-1655) -2323,-1636 -2159,-1472 -1843.75,-1472 -1829.75,-1458 v1(-1650,-1458)
LED2: D1.2.K U5.22 | length 899
  Top Layer w8: v1(-1691,-1435) -1615,-1435 -1600.69,-1449.31 U5.22@-1600.69,-1517.83
  Top Layer w10: v1(-2323,-1555) D1.2.K@-2270.5,-1555
  Bottom Layer w8: v1(-2323,-1555) -2321,-1555 -2222,-1456 -1850.37,-1456 -1829.37,-1435 v1(-1691,-1435)